# Altium PCB STM32F7_CoreBoard.PcbDoc (part 4 of 8)
Units mm, origin at the board's own origin, x right, y up, seen from the top; angles counter-clockwise.
Board outline 65 x 50 mm, 6 copper layers (L1, L2, L3, L4, L5, L6), stack 1.597 mm thick; 114 components, 192 nets, 736 pads, 791 vias.
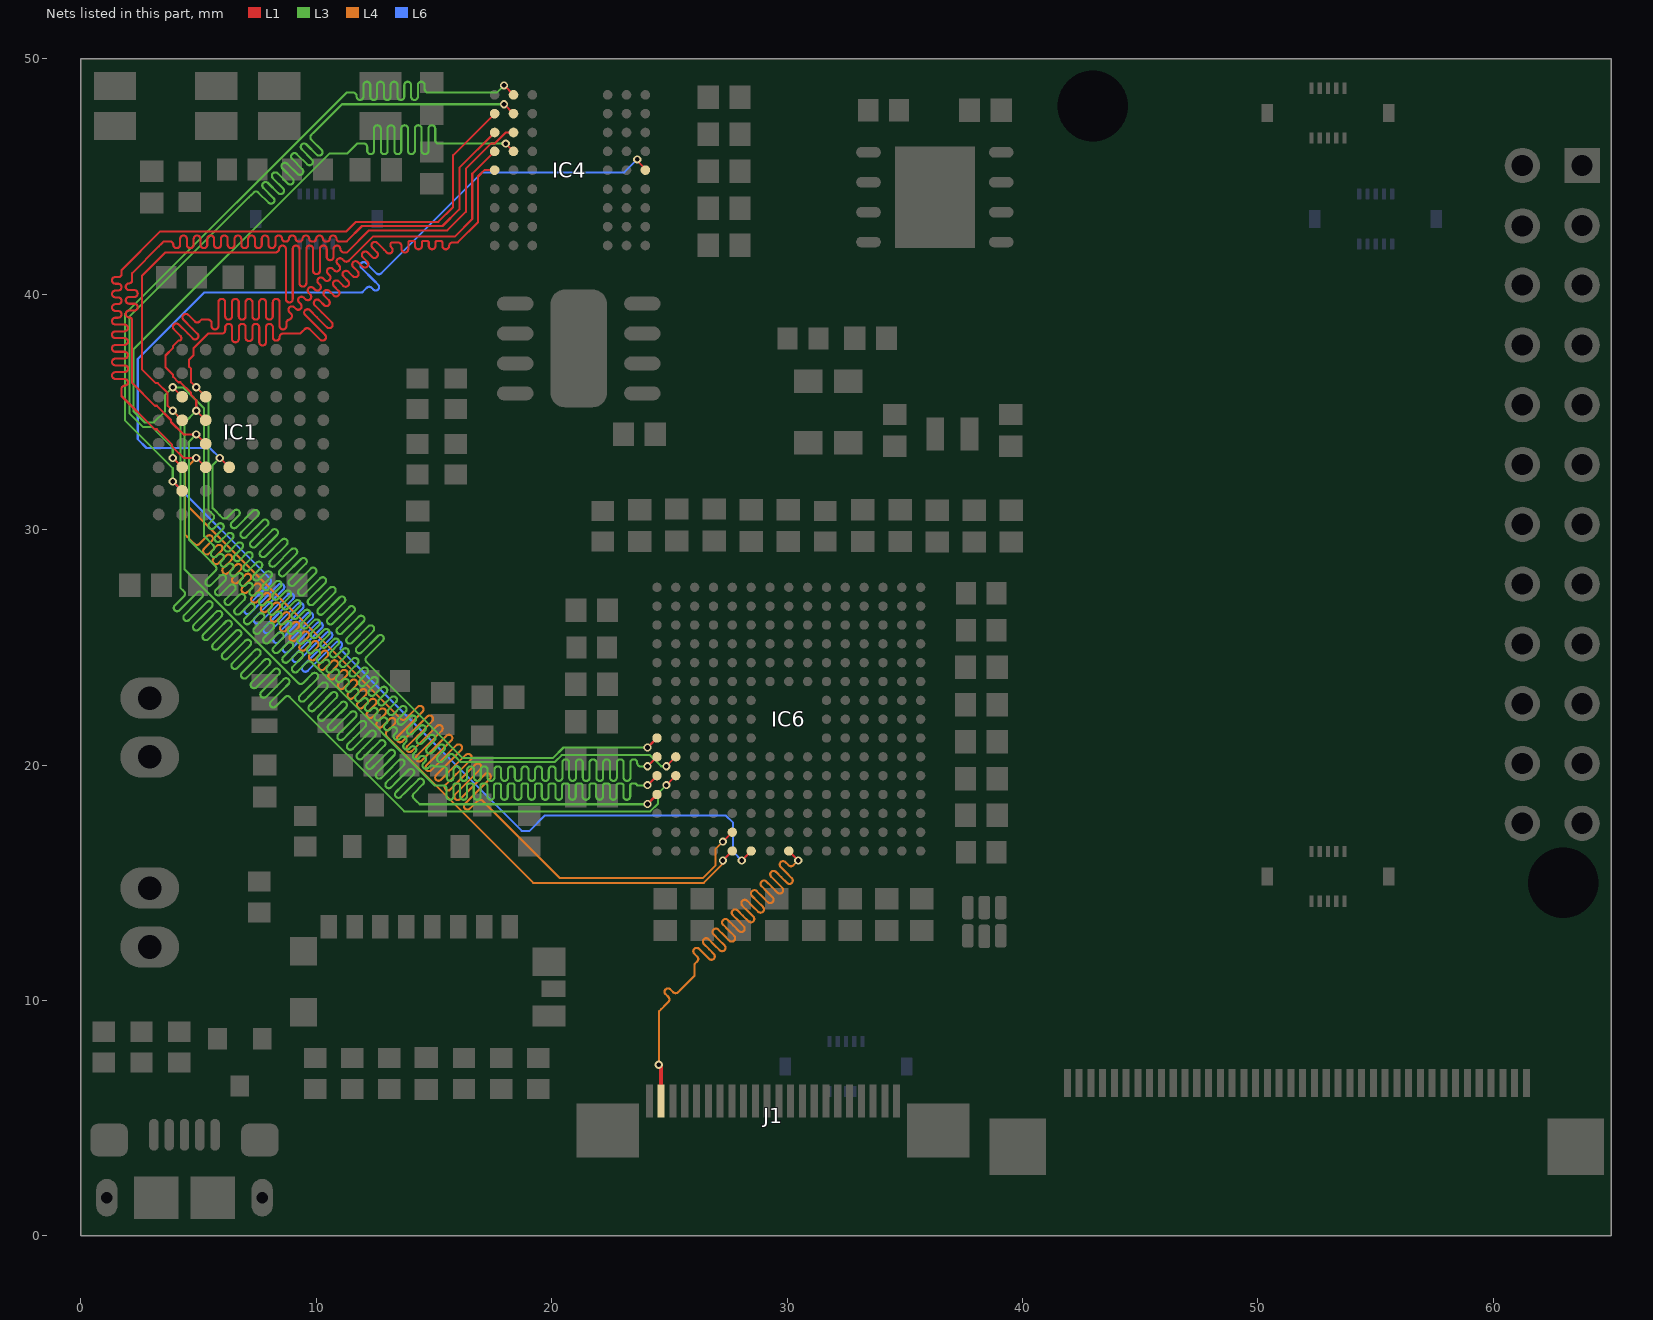
[diagram p8: the nets of this part, all layers, seen from the top]

## Via types
v1: diameter 0.35, hole 0.2, L1 to L6, tented both sides, 737 vias
v2: diameter 0.5, hole 0.25, L1 to L6, tented both sides, 20 vias
v3: diameter 0.4, hole 0.2, L1 to L6, tented both sides, 16 vias
v4: diameter 0.5, hole 0.2, L1 to L6, 12 vias
v5: diameter 0.5, hole 0.5, L1 to L6, 4 vias
v6: diameter 0.6, hole 0.3, L1 to L6, tented both sides, 2 vias

## Nets (pads, with @x,y where several pads share a name; then routed paths per layer and width w, separated by ;. In a path a pad name is that pad's centre, name@x,y a point inside that pad or via, vN(x,y) a via of type N, cw(c..) or ccw(c..) an arc to the next point about the centre after c; other vN are vias at no path point) (continued)
D7: IC1.E6 IC4.E9 IC6.R9 | length 94.5
  L1 w0.089: v1(5.9,33.05) IC1.E6@6.3,32.65 ; v1(23.632,45.732) 23.632,45.675 23.975,45.332 IC4.E9@23.975,45.275 ; v1(24.07,20.752) IC6.R9@24.47,21.152
  L3 w0.089: v1(5.9,33.05) 5.592,32.742 5.592,30.922 5.694,30.82 5.898,30.616 6,30.514 ccw(c6.102,30.616) 6.204,30.514 6.501,30.81 cw(c6.603,30.708) 6.705,30.81 cw(c6.603,30.708) 6.705,30.606 6.409,30.309 ccw(c6.511,30.207) 6.409,30.105 ccw(c6.511,30.207) 6.613,30.105 7.308,30.8 cw(c7.41,30.698) 7.512,30.8 cw(c7.41,30.698) 7.512,30.596 6.817,29.901 ccw(c6.919,29.799) 6.817,29.697 ccw(c6.919,29.799) 7.022,29.697 7.716,30.391 cw(c7.819,30.289) 7.921,30.391 cw(c7.819,30.289) 7.921,30.187 7.226,29.492 ccw(c7.328,29.39) 7.226,29.288 ccw(c7.328,29.39) 7.43,29.288 8.125,29.983 cw(c8.227,29.881) 8.329,29.983 cw(c8.227,29.881) 8.329,29.779 7.634,29.084 ccw(c7.737,28.982) 7.634,28.879 ccw(c7.737,28.982) 7.839,28.879 8.534,29.574 cw(c8.636,29.472) 8.738,29.574 cw(c8.636,29.472) 8.738,29.37 8.043,28.675 ccw(c8.145,28.573) 8.043,28.471 ccw(c8.145,28.573) 8.247,28.471 8.942,29.166 cw(c9.044,29.064) 9.146,29.166 cw(c9.044,29.064) 9.146,28.961 8.452,28.267 ccw(c8.554,28.164) 8.452,28.062 ccw(c8.554,28.164) 8.656,28.062 9.351,28.757 cw(c9.453,28.655) 9.555,28.757 cw(c9.453,28.655) 9.555,28.553 8.86,27.858 ccw(c8.962,27.756) 8.86,27.654 ccw(c8.962,27.756) 9.064,27.654 9.759,28.349 cw(c9.861,28.246) 9.964,28.349 cw(c9.861,28.246) 9.964,28.144 9.269,27.449 ccw(c9.371,27.347) 9.269,27.245 ccw(c9.371,27.347) 9.473,27.245 10.168,27.94 cw(c10.27,27.838) 10.372,27.94 cw(c10.27,27.838) 10.372,27.736 9.677,27.041 ccw(c9.779,26.939) 9.677,26.837 ccw(c9.779,26.939) 9.882,26.837 10.576,27.531 cw(c10.679,27.429) 10.781,27.531 cw(c10.679,27.429) 10.781,27.327 10.086,26.632 ccw(c10.188,26.53) 10.086,26.428 ccw(c10.188,26.53) 10.29,26.428 10.985,27.123 cw(c11.087,27.021) 11.189,27.123 cw(c11.087,27.021) 11.189,26.919 10.494,26.224 ccw(c10.597,26.122) 10.494,26.019 ccw(c10.597,26.122) 10.699,26.019 11.394,26.714 cw(c11.496,26.612) 11.598,26.714 cw(c11.496,26.612) 11.598,26.51 10.903,25.815 ccw(c11.005,25.713) 10.903,25.611 ccw(c11.005,25.713) 11.107,25.611 11.802,26.306 cw(c11.904,26.204) 12.006,26.306 cw(c11.904,26.204) 12.006,26.101 11.312,25.407 ccw(c11.414,25.304) 11.312,25.202 ccw(c11.414,25.304) 11.516,25.202 12.211,25.897 cw(c12.313,25.795) 12.415,25.897 cw(c12.313,25.795) 12.415,25.693 11.72,24.998 ccw(c11.822,24.896) 11.72,24.794 ccw(c11.822,24.896) 11.924,24.794 12.619,25.489 cw(c12.721,25.386) 12.824,25.489 cw(c12.721,25.386) 12.824,25.284 12.129,24.59 ccw(c12.231,24.487) 12.129,24.385 12.231,24.283 12.309,24.205 16.203,20.311 20.061,20.311 20.502,20.752 v1(24.07,20.752)
  L6 w0.089: v1(5.9,33.05) 5.476,33.474 2.788,33.474 2.414,33.849 2.414,37.251 5.237,40.075 11.939,40.075 12.041,40.177 12.143,40.279 cw(c12.245,40.177) 12.347,40.279 12.421,40.206 ccw(c12.523,40.308) 12.625,40.206 ccw(c12.523,40.308) 12.625,40.41 12.45,40.586 11.914,41.122 cw(c12.016,41.224) 11.914,41.326 cw(c12.016,41.224) 12.118,41.326 12.552,40.892 ccw(c12.654,40.994) 12.756,40.892 12.807,40.943 17.047,45.183 23.083,45.183 v1(23.632,45.732)
D8: IC1.F3 IC4.E1 IC6.P10 | length 97.2
  L1 w0.089: IC1.F3@5.3,35.65 v1(4.9,36.05) 4.683,36.267 4.683,36.831 4.592,36.922 4.592,37.217 4.775,37.4 4.775,37.7 5.408,38.333 5.553,38.333 5.842,38.333 5.986,38.333 ccw(c5.986,38.478) 6.131,38.478 6.131,38.603 cw(c6.275,38.603) 6.275,38.747 cw(c6.275,38.603) 6.419,38.603 6.419,38.333 6.419,38.107 ccw(c6.564,38.107) 6.564,37.963 ccw(c6.564,38.107) 6.708,38.107 6.708,38.333 6.708,38.603 cw(c6.853,38.603) 6.853,38.747 cw(c6.853,38.603) 6.997,38.603 6.997,38.333 6.997,38.153 ccw(c7.142,38.153) 7.142,38.009 ccw(c7.142,38.153) 7.286,38.153 7.286,38.333 7.286,38.603 cw(c7.431,38.603) 7.431,38.747 cw(c7.431,38.603) 7.575,38.603 7.575,38.333 7.575,37.97 ccw(c7.72,37.97) 7.72,37.826 ccw(c7.72,37.97) 7.864,37.97 7.864,38.333 7.864,38.603 cw(c8.008,38.603) 8.008,38.747 cw(c8.008,38.603) 8.153,38.603 8.153,38.333 8.153,38.178 ccw(c8.297,38.178) 8.297,38.033 ccw(c8.297,38.178) 8.442,38.178 8.442,38.189 cw(c8.586,38.189) 8.586,38.333 8.65,38.333 8.925,38.333 9.175,38.333 9.319,38.333 9.407,38.421 9.509,38.523 cw(c9.611,38.421) 9.713,38.523 10.162,38.074 ccw(c10.264,38.177) 10.366,38.074 ccw(c10.264,38.177) 10.366,38.279 9.815,38.829 9.525,39.119 cw(c9.627,39.222) 9.525,39.324 cw(c9.627,39.222) 9.729,39.324 10.02,39.034 10.449,38.604 ccw(c10.551,38.707) 10.653,38.604 ccw(c10.551,38.707) 10.653,38.809 10.224,39.238 9.934,39.528 cw(c10.036,39.63) 9.934,39.732 cw(c10.036,39.63) 10.138,39.732 10.326,39.544 ccw(c10.428,39.646) 10.53,39.544 ccw(c10.428,39.646) 10.53,39.749 10.342,39.937 cw(c10.444,40.039) 10.342,40.141 cw(c10.444,40.039) 10.547,40.141 10.735,39.953 ccw(c10.837,40.055) 10.939,39.953 ccw(c10.837,40.055) 10.939,40.157 10.751,40.345 cw(c10.853,40.447) 10.751,40.549 cw(c10.853,40.447) 10.955,40.549 11.143,40.361 ccw(c11.245,40.464) 11.347,40.361 ccw(c11.245,40.464) 11.347,40.566 11.159,40.754 cw(c11.262,40.856) 11.159,40.958 cw(c11.262,40.856) 11.364,40.958 11.552,40.77 ccw(c11.654,40.872) 11.756,40.77 ccw(c11.654,40.872) 11.756,40.974 11.568,41.162 cw(c11.67,41.264) 11.568,41.367 cw(c11.67,41.264) 11.772,41.367 11.96,41.179 ccw(c12.062,41.281) 12.165,41.179 ccw(c12.062,41.281) 12.165,41.383 11.977,41.571 cw(c12.079,41.673) 11.977,41.775 cw(c12.079,41.673) 12.181,41.775 12.369,41.587 ccw(c12.471,41.689) 12.573,41.587 ccw(c12.471,41.689) 12.573,41.791 12.385,41.979 cw(c12.487,42.082) 12.385,42.184 cw(c12.487,42.082) 12.589,42.184 12.88,41.894 12.995,41.779 ccw(c13.097,41.881) 13.199,41.779 ccw(c13.097,41.881) 13.199,41.983 13.186,41.996 cw(c13.288,42.098) 13.186,42.2 13.33,42.2 13.475,42.2 cw(c13.475,42.056) 13.619,42.056 13.619,41.919 ccw(c13.764,41.919) 13.764,41.775 ccw(c13.764,41.919) 13.908,41.919 13.908,42.2 cw(c13.98,42.2) 13.98,42.272 14.125,42.272 cw(c14.125,42.2) 14.197,42.2 14.197,42.059 ccw(c14.342,42.059) 14.342,41.914 ccw(c14.342,42.059) 14.486,42.059 14.486,42.2 cw(c14.558,42.2) 14.558,42.272 14.703,42.272 cw(c14.703,42.2) 14.775,42.2 14.775,42.059 ccw(c14.919,42.059) 14.919,41.914 ccw(c14.919,42.059) 15.064,42.059 15.064,42.2 cw(c15.136,42.2) 15.136,42.272 15.28,42.272 cw(c15.28,42.2) 15.353,42.2 15.353,42.059 ccw(c15.497,42.059) 15.497,41.914 ccw(c15.497,42.059) 15.642,42.059 cw(c15.783,42.059) 15.783,42.2 15.931,42.2 16,42.2 16.012,42.212 16.867,43.067 16.867,45.003 17.139,45.275 IC4.E1@17.575,45.275 ; v1(24.87,19.952) IC6.P10@25.27,20.352
  L3 w0.089: v1(4.9,36.05) 5.414,35.536 5.414,30.849 5.516,30.746 5.618,30.644 cw(c5.516,30.542) 5.618,30.44 5.456,30.278 ccw(c5.558,30.176) 5.456,30.074 ccw(c5.558,30.176) 5.66,30.074 5.822,30.236 cw(c5.925,30.134) 6.027,30.236 cw(c5.925,30.134) 6.027,30.032 5.719,29.723 ccw(c5.821,29.621) 5.719,29.519 ccw(c5.821,29.621) 5.923,29.519 6.231,29.827 cw(c6.333,29.725) 6.435,29.827 cw(c6.333,29.725) 6.435,29.623 6.127,29.315 ccw(c6.229,29.213) 6.127,29.111 ccw(c6.229,29.213) 6.332,29.111 6.64,29.419 cw(c6.742,29.317) 6.844,29.419 cw(c6.742,29.317) 6.844,29.214 6.536,28.906 ccw(c6.638,28.804) 6.536,28.702 ccw(c6.638,28.804) 6.74,28.702 7.048,29.01 cw(c7.15,28.908) 7.252,29.01 cw(c7.15,28.908) 7.252,28.806 6.944,28.498 ccw(c7.047,28.396) 6.944,28.293 ccw(c7.047,28.396) 7.149,28.293 7.457,28.602 cw(c7.559,28.499) 7.661,28.602 cw(c7.559,28.499) 7.661,28.397 7.353,28.089 ccw(c7.455,27.987) 7.353,27.885 ccw(c7.455,27.987) 7.557,27.885 7.865,28.193 cw(c7.967,28.091) 8.07,28.193 cw(c7.967,28.091) 8.07,27.989 7.762,27.681 ccw(c7.864,27.579) 7.762,27.476 ccw(c7.864,27.579) 7.966,27.476 8.274,27.784 cw(c8.376,27.682) 8.478,27.784 cw(c8.376,27.682) 8.478,27.58 8.17,27.272 ccw(c8.272,27.17) 8.17,27.068 ccw(c8.272,27.17) 8.374,27.068 8.682,27.376 cw(c8.785,27.274) 8.887,27.376 cw(c8.785,27.274) 8.887,27.172 8.579,26.864 ccw(c8.681,26.761) 8.579,26.659 ccw(c8.681,26.761) 8.783,26.659 9.091,26.967 cw(c9.193,26.865) 9.295,26.967 cw(c9.193,26.865) 9.295,26.763 8.987,26.455 ccw(c9.089,26.353) 8.987,26.251 ccw(c9.089,26.353) 9.191,26.251 9.5,26.559 cw(c9.602,26.457) 9.704,26.559 cw(c9.602,26.457) 9.704,26.354 9.396,26.046 ccw(c9.498,25.944) 9.396,25.842 ccw(c9.498,25.944) 9.6,25.842 9.908,26.15 cw(c10.01,26.048) 10.112,26.15 cw(c10.01,26.048) 10.112,25.946 9.804,25.638 ccw(c9.906,25.536) 9.804,25.434 ccw(c9.906,25.536) 10.009,25.434 10.317,25.742 cw(c10.419,25.639) 10.521,25.742 cw(c10.419,25.639) 10.521,25.537 10.213,25.229 ccw(c10.315,25.127) 10.213,25.025 ccw(c10.315,25.127) 10.417,25.025 10.725,25.333 cw(c10.827,25.231) 10.929,25.333 cw(c10.827,25.231) 10.929,25.129 10.621,24.821 ccw(c10.724,24.719) 10.621,24.616 ccw(c10.724,24.719) 10.826,24.616 11.134,24.924 cw(c11.236,24.822) 11.338,24.924 cw(c11.236,24.822) 11.338,24.72 11.03,24.412 ccw(c11.132,24.31) 11.03,24.208 ccw(c11.132,24.31) 11.234,24.208 11.542,24.516 cw(c11.644,24.414) 11.747,24.516 cw(c11.644,24.414) 11.747,24.312 11.439,24.004 ccw(c11.541,23.901) 11.439,23.799 ccw(c11.541,23.901) 11.643,23.799 11.951,24.107 cw(c12.053,24.005) 12.155,24.107 cw(c12.053,24.005) 12.155,23.903 11.847,23.595 ccw(c11.949,23.493) 11.847,23.391 ccw(c11.949,23.493) 12.051,23.391 12.359,23.699 cw(c12.462,23.597) 12.564,23.699 cw(c12.462,23.597) 12.564,23.494 12.256,23.186 ccw(c12.358,23.084) 12.256,22.982 ccw(c12.358,23.084) 12.46,22.982 12.768,23.29 cw(c12.87,23.188) 12.972,23.29 cw(c12.87,23.188) 12.972,23.086 12.664,22.778 ccw(c12.766,22.676) 12.664,22.574 ccw(c12.766,22.676) 12.869,22.574 13.177,22.882 cw(c13.279,22.779) 13.381,22.882 cw(c13.279,22.779) 13.381,22.677 13.073,22.369 ccw(c13.175,22.267) 13.073,22.165 ccw(c13.175,22.267) 13.277,22.165 13.585,22.473 cw(c13.687,22.371) 13.789,22.473 cw(c13.687,22.371) 13.789,22.269 13.481,21.961 ccw(c13.584,21.859) 13.481,21.756 ccw(c13.584,21.859) 13.686,21.756 ; 13.686,21.756 13.994,22.064 cw(c14.096,21.962) 14.198,22.064 cw(c14.096,21.962) 14.198,21.86 13.89,21.552 ccw(c13.992,21.45) 13.89,21.348 ccw(c13.992,21.45) 14.094,21.348 14.402,21.656 cw(c14.504,21.554) 14.607,21.656 cw(c14.504,21.554) 14.607,21.452 14.299,21.144 ccw(c14.401,21.041) 14.299,20.939 ccw(c14.401,21.041) 14.503,20.939 14.811,21.247 cw(c14.913,21.145) 15.015,21.247 cw(c14.913,21.145) 15.015,21.043 14.707,20.735 ccw(c14.809,20.633) 14.707,20.531 ccw(c14.809,20.633) 14.911,20.531 15.219,20.839 cw(c15.322,20.737) 15.424,20.839 cw(c15.322,20.737) 15.424,20.634 15.166,20.377 ccw(c15.268,20.274) 15.166,20.172 ccw(c15.268,20.274) 15.37,20.172 15.628,20.43 cw(c15.73,20.328) 15.832,20.43 15.934,20.328 16.069,20.194 16.129,20.133 20.135,20.133 20.426,20.425 24.175,20.425 24.648,19.952 v1(24.87,19.952)
D9: IC1.G3 IC4.D2 IC6.R10 | length 96.2
  L1 w0.089: v1(3.9,36.05) IC1.G3@4.3,35.65 ; v1(18.051,46.402) 18.051,46.401 18.375,46.077 IC4.D2@18.375,46.075 ; v1(24.07,19.952) IC6.R10@24.47,20.352
  L3 w0.089: 12.977,21.784 ccw(c12.875,21.887) 12.977,21.989 ccw(c12.875,21.887) 12.773,21.989 12.713,21.929 cw(c12.611,22.031) 12.509,21.929 cw(c12.611,22.031) 12.509,22.133 12.568,22.193 ccw(c12.466,22.295) 12.568,22.397 ccw(c12.466,22.295) 12.364,22.397 12.305,22.338 cw(c12.202,22.44) 12.1,22.338 cw(c12.202,22.44) 12.1,22.542 12.16,22.602 ccw(c12.058,22.704) 12.16,22.806 ccw(c12.058,22.704) 11.956,22.806 11.896,22.746 cw(c11.794,22.848) 11.692,22.746 cw(c11.794,22.848) 11.692,22.95 11.751,23.01 ccw(c11.649,23.112) 11.751,23.214 ccw(c11.649,23.112) 11.547,23.214 11.487,23.155 cw(c11.385,23.257) 11.283,23.155 cw(c11.385,23.257) 11.283,23.359 11.343,23.419 ccw(c11.241,23.521) 11.343,23.623 ccw(c11.241,23.521) 11.138,23.623 11.079,23.563 cw(c10.977,23.665) 10.875,23.563 cw(c10.977,23.665) 10.875,23.768 10.934,23.827 ccw(c10.832,23.929) 10.934,24.031 ccw(c10.832,23.929) 10.73,24.031 10.67,23.972 cw(c10.568,24.074) 10.466,23.972 cw(c10.568,24.074) 10.466,24.176 10.526,24.236 ccw(c10.424,24.338) 10.526,24.44 ccw(c10.424,24.338) 10.321,24.44 10.262,24.38 cw(c10.16,24.483) 10.057,24.38 cw(c10.16,24.483) 10.057,24.585 10.117,24.644 ccw(c10.015,24.746) 10.117,24.849 ccw(c10.015,24.746) 9.913,24.849 9.853,24.789 cw(c9.751,24.891) 9.649,24.789 cw(c9.751,24.891) 9.649,24.993 9.709,25.053 ccw(c9.606,25.155) 9.709,25.257 ccw(c9.606,25.155) 9.504,25.257 9.445,25.198 cw(c9.342,25.3) 9.24,25.198 cw(c9.342,25.3) 9.24,25.402 9.3,25.461 ccw(c9.198,25.564) 9.3,25.666 ccw(c9.198,25.564) 9.096,25.666 9.036,25.606 cw(c8.934,25.708) 8.832,25.606 cw(c8.934,25.708) 8.832,25.81 8.891,25.87 ccw(c8.789,25.972) 8.891,26.074 ccw(c8.789,25.972) 8.687,26.074 8.627,26.015 cw(c8.525,26.117) 8.423,26.015 cw(c8.525,26.117) 8.423,26.219 8.483,26.279 ccw(c8.381,26.381) 8.483,26.483 ccw(c8.381,26.381) 8.279,26.483 8.219,26.423 cw(c8.117,26.525) 8.015,26.423 cw(c8.117,26.525) 8.015,26.628 8.074,26.687 ccw(c7.972,26.789) 8.074,26.891 ccw(c7.972,26.789) 7.87,26.891 7.81,26.832 cw(c7.708,26.934) 7.606,26.832 cw(c7.708,26.934) 7.606,27.036 7.666,27.096 ccw(c7.564,27.198) 7.666,27.3 ccw(c7.564,27.198) 7.461,27.3 7.402,27.24 cw(c7.3,27.343) 7.197,27.24 cw(c7.3,27.343) 7.197,27.445 7.257,27.504 ccw(c7.155,27.606) 7.257,27.709 ccw(c7.155,27.606) 7.053,27.709 6.993,27.649 cw(c6.891,27.751) 6.789,27.649 cw(c6.891,27.751) 6.789,27.853 6.849,27.913 ccw(c6.746,28.015) 6.849,28.117 ccw(c6.746,28.015) 6.644,28.117 6.585,28.058 cw(c6.483,28.16) 6.38,28.058 cw(c6.483,28.16) 6.38,28.262 6.44,28.321 ccw(c6.338,28.424) 6.44,28.526 ccw(c6.338,28.424) 6.236,28.526 6.176,28.466 cw(c6.074,28.568) 5.972,28.466 cw(c6.074,28.568) 5.972,28.67 6.031,28.73 ccw(c5.929,28.832) 6.031,28.934 ccw(c5.929,28.832) 5.827,28.934 5.768,28.875 cw(c5.665,28.977) 5.563,28.875 cw(c5.665,28.977) 5.563,29.079 5.623,29.139 ccw(c5.521,29.241) 5.623,29.343 5.521,29.445 5.316,29.649 5.23,29.736 5.23,29.775 5.23,35.156 4.336,36.05 v1(3.9,36.05) 3.578,35.728 3.578,35.04 3.101,34.564 2.699,34.564 2.236,35.026 2.236,37.659 10.552,45.975 11.302,45.975 11.729,46.402 11.873,46.402 12.018,46.402 cw(c12.018,46.258) 12.162,46.258 12.162,46.097 ccw(c12.307,46.097) 12.307,45.953 ccw(c12.307,46.097) 12.451,46.097 12.451,46.402 12.451,47.036 cw(c12.596,47.036) 12.596,47.181 cw(c12.596,47.036) 12.74,47.036 12.74,46.402 12.74,46.097 ccw(c12.885,46.097) 12.885,45.953 ccw(c12.885,46.097) 13.029,46.097 13.029,46.402 13.029,47.036 cw(c13.173,47.036) 13.173,47.181 cw(c13.173,47.036) 13.318,47.036 13.318,46.402 13.318,46.097 ccw(c13.462,46.097) 13.462,45.953 ccw(c13.462,46.097) 13.607,46.097 13.607,46.402 13.607,47.036 cw(c13.751,47.036) 13.751,47.181 cw(c13.751,47.036) 13.896,47.036 13.896,46.402 13.896,46.097 ccw(c14.04,46.097) 14.04,45.953 ccw(c14.04,46.097) 14.185,46.097 14.185,46.402 14.185,47.036 cw(c14.329,47.036) 14.329,47.181 cw(c14.329,47.036) 14.473,47.036 14.473,46.402 14.473,46.097 ccw(c14.618,46.097) 14.618,45.953 ccw(c14.618,46.097) 14.762,46.097 14.762,46.402 14.762,47.036 cw(c14.907,47.036) 14.907,47.181 cw(c14.907,47.036) 15.051,47.036 15.051,46.547 ccw(c15.196,46.547) 15.196,46.402 15.319,46.402 v1(18.051,46.402) ; 12.977,21.784 12.917,21.725 ccw(c13.02,21.623) 12.917,21.52 ccw(c13.02,21.623) 13.122,21.52 13.181,21.58 cw(c13.283,21.478) 13.386,21.58 cw(c13.283,21.478) 13.386,21.376 13.326,21.316 ccw(c13.428,21.214) 13.326,21.112 ccw(c13.428,21.214) 13.53,21.112 13.59,21.172 cw(c13.692,21.069) 13.794,21.172 cw(c13.692,21.069) 13.794,20.967 13.735,20.908 ccw(c13.837,20.805) 13.735,20.703 ccw(c13.837,20.805) 13.939,20.703 13.998,20.763 cw(c14.101,20.661) 14.203,20.763 cw(c14.101,20.661) 14.203,20.559 14.143,20.499 ccw(c14.245,20.397) 14.143,20.295 ccw(c14.245,20.397) 14.347,20.295 14.407,20.354 cw(c14.509,20.252) 14.611,20.354 cw(c14.509,20.252) 14.611,20.15 14.552,20.09 ccw(c14.654,19.988) 14.552,19.886 ccw(c14.654,19.988) 14.756,19.886 14.816,19.946 cw(c14.918,19.844) 15.02,19.946 15.1,19.946 15.252,19.946 15.397,19.946 cw(c15.397,19.801) 15.541,19.801 15.541,19.474 ccw(c15.686,19.474) 15.686,19.33 ccw(c15.686,19.474) 15.83,19.474 15.83,19.801 cw(c15.975,19.801) 15.975,19.946 cw(c15.975,19.801) 16.119,19.801 16.119,19.474 ccw(c16.264,19.474) 16.264,19.33 ccw(c16.264,19.474) 16.408,19.474 16.408,19.801 cw(c16.552,19.801) 16.552,19.946 cw(c16.552,19.801) 16.697,19.801 16.697,19.474 ccw(c16.841,19.474) 16.841,19.33 ccw(c16.841,19.474) 16.986,19.474 16.986,19.801 cw(c17.13,19.801) 17.13,19.946 cw(c17.13,19.801) 17.275,19.801 17.275,19.474 ccw(c17.419,19.474) 17.419,19.33 ccw(c17.419,19.474) 17.564,19.474 17.564,19.801 cw(c17.708,19.801) 17.708,19.946 cw(c17.708,19.801) 17.852,19.801 17.852,19.474 ccw(c17.997,19.474) 17.997,19.33 ccw(c17.997,19.474) 18.141,19.474 18.141,19.801 cw(c18.286,19.801) 18.286,19.946 cw(c18.286,19.801) 18.43,19.801 18.43,19.474 ccw(c18.575,19.474) 18.575,19.33 ccw(c18.575,19.474) 18.719,19.474 18.719,19.801 cw(c18.864,19.801) 18.864,19.946 cw(c18.864,19.801) 19.008,19.801 19.008,19.474 ccw(c19.153,19.474) 19.153,19.33 ccw(c19.153,19.474) 19.297,19.474 19.297,19.801 cw(c19.441,19.801) 19.441,19.946 cw(c19.441,19.801) 19.586,19.801 19.586,19.474 ccw(c19.73,19.474) 19.73,19.33 ccw(c19.73,19.474) 19.875,19.474 19.875,19.801 cw(c20.019,19.801) 20.019,19.946 cw(c20.019,19.801) 20.164,19.801 20.164,19.474 ccw(c20.308,19.474) 20.308,19.33 ccw(c20.308,19.474) 20.453,19.474 20.453,19.946 20.453,20.103 cw(c20.597,20.103) 20.597,20.247 cw(c20.597,20.103) 20.741,20.103 20.741,19.946 20.741,19.474 ccw(c20.886,19.474) 20.886,19.33 ccw(c20.886,19.474) 21.03,19.474 21.03,19.946 21.03,20.103 cw(c21.175,20.103) 21.175,20.247 cw(c21.175,20.103) 21.319,20.103 21.319,19.946 21.319,19.474 ccw(c21.464,19.474) 21.464,19.33 ccw(c21.464,19.474) 21.608,19.474 21.608,19.946 21.608,20.103 cw(c21.753,20.103) 21.753,20.247 cw(c21.753,20.103) 21.897,20.103 21.897,19.946 21.897,19.474 ccw(c22.042,19.474) 22.042,19.33 ccw(c22.042,19.474) 22.186,19.474 22.186,19.946 22.186,20.103 cw(c22.33,20.103) 22.33,20.247 cw(c22.33,20.103) 22.475,20.103 22.475,19.946 22.475,19.474 ccw(c22.619,19.474) 22.619,19.33 ccw(c22.619,19.474) 22.764,19.474 22.764,19.946 22.764,20.103 cw(c22.908,20.103) 22.908,20.247 cw(c22.908,20.103) 23.053,20.103 23.053,19.946 23.053,19.474 ccw(c23.197,19.474) 23.197,19.33 ccw(c23.197,19.474) 23.342,19.474 23.342,19.946 23.342,20.103 cw(c23.486,20.103) 23.486,20.247 cw(c23.486,20.103) 23.63,20.103 23.63,20.09 ccw(c23.775,20.09) 23.775,19.946 23.919,19.946 24.064,19.946 v1(24.07,19.952)
D10: IC1.F4 IC4.D1 IC6.R12 | length 96.6
  L1 w0.089: IC1.F4@5.3,34.65 v1(4.9,35.05) 4.9,35.508 4.683,35.725 4.683,35.809 4.225,36.267 4.141,36.267 3.917,36.491 3.917,36.575 3.592,36.9 3.592,37.4 3.917,37.725 3.917,37.809 4.141,38.033 4.225,38.033 ccw(c4.123,38.135) 4.225,38.238 3.951,38.513 cw(c4.053,38.615) 3.951,38.717 cw(c4.053,38.615) 4.155,38.717 4.532,38.34 4.746,38.126 ccw(c4.848,38.228) 4.95,38.126 ccw(c4.848,38.228) 4.95,38.33 4.736,38.544 4.359,38.921 cw(c4.461,39.023) 4.359,39.125 cw(c4.461,39.023) 4.563,39.125 4.838,38.85 ccw(c4.94,38.953) 5.043,38.85 5.117,38.925 5.262,38.925 5.406,38.925 cw(c5.406,38.781) 5.55,38.781 5.55,38.656 ccw(c5.695,38.656) 5.695,38.511 ccw(c5.695,38.656) 5.839,38.656 5.839,38.925 5.839,39.661 cw(c5.984,39.661) 5.984,39.806 cw(c5.984,39.661) 6.128,39.661 6.128,39.069 ccw(c6.273,39.069) 6.273,38.925 ccw(c6.273,39.069) 6.417,39.069 6.417,39.661 cw(c6.562,39.661) 6.562,39.806 cw(c6.562,39.661) 6.706,39.661 6.706,39.069 ccw(c6.851,39.069) 6.851,38.925 ccw(c6.851,39.069) 6.995,39.069 6.995,39.661 cw(c7.139,39.661) 7.139,39.806 cw(c7.139,39.661) 7.284,39.661 7.284,39.069 ccw(c7.428,39.069) 7.428,38.925 ccw(c7.428,39.069) 7.573,39.069 7.573,39.661 cw(c7.717,39.661) 7.717,39.806 cw(c7.717,39.661) 7.862,39.661 7.862,39.069 ccw(c8.006,39.069) 8.006,38.925 ccw(c8.006,39.069) 8.151,39.069 8.151,39.661 cw(c8.295,39.661) 8.295,39.806 cw(c8.295,39.661) 8.439,39.661 8.439,38.925 8.439,38.656 ccw(c8.584,38.656) 8.584,38.511 ccw(c8.584,38.656) 8.728,38.656 8.728,38.781 cw(c8.873,38.781) 8.873,38.925 8.875,38.925 8.925,38.975 ccw(c8.823,39.077) 8.925,39.179 8.861,39.244 cw(c8.963,39.346) 8.861,39.448 cw(c8.963,39.346) 9.065,39.448 9.129,39.384 ccw(c9.231,39.486) 9.334,39.384 ccw(c9.231,39.486) 9.334,39.588 9.269,39.652 cw(c9.371,39.754) 9.269,39.856 cw(c9.371,39.754) 9.474,39.856 9.538,39.792 ccw(c9.64,39.894) 9.742,39.792 ccw(c9.64,39.894) 9.742,39.996 9.678,40.061 cw(c9.78,40.163) 9.678,40.265 cw(c9.78,40.163) 9.882,40.265 9.946,40.201 ccw(c10.049,40.303) 10.151,40.201 ccw(c10.049,40.303) 10.151,40.405 10.086,40.469 cw(c10.189,40.571) 10.086,40.674 cw(c10.189,40.571) 10.291,40.674 10.355,40.609 ccw(c10.457,40.711) 10.559,40.609 ccw(c10.457,40.711) 10.559,40.814 10.495,40.878 cw(c10.597,40.98) 10.495,41.082 cw(c10.597,40.98) 10.699,41.082 10.764,41.018 ccw(c10.866,41.12) 10.968,41.018 ccw(c10.866,41.12) 10.968,41.222 10.904,41.286 cw(c11.006,41.389) 10.904,41.491 cw(c11.006,41.389) 11.108,41.491 11.172,41.426 ccw(c11.274,41.529) 11.376,41.426 11.479,41.529 12.4,42.45 15.875,42.45 16.625,43.2 16.625,45.125 IC4.D1@17.575,46.075 ; v1(24.07,18.352) IC6.R12@24.47,18.752